# Allegro board Coral-Dev-Board-Mini-layout-Allegro.brd (continued)
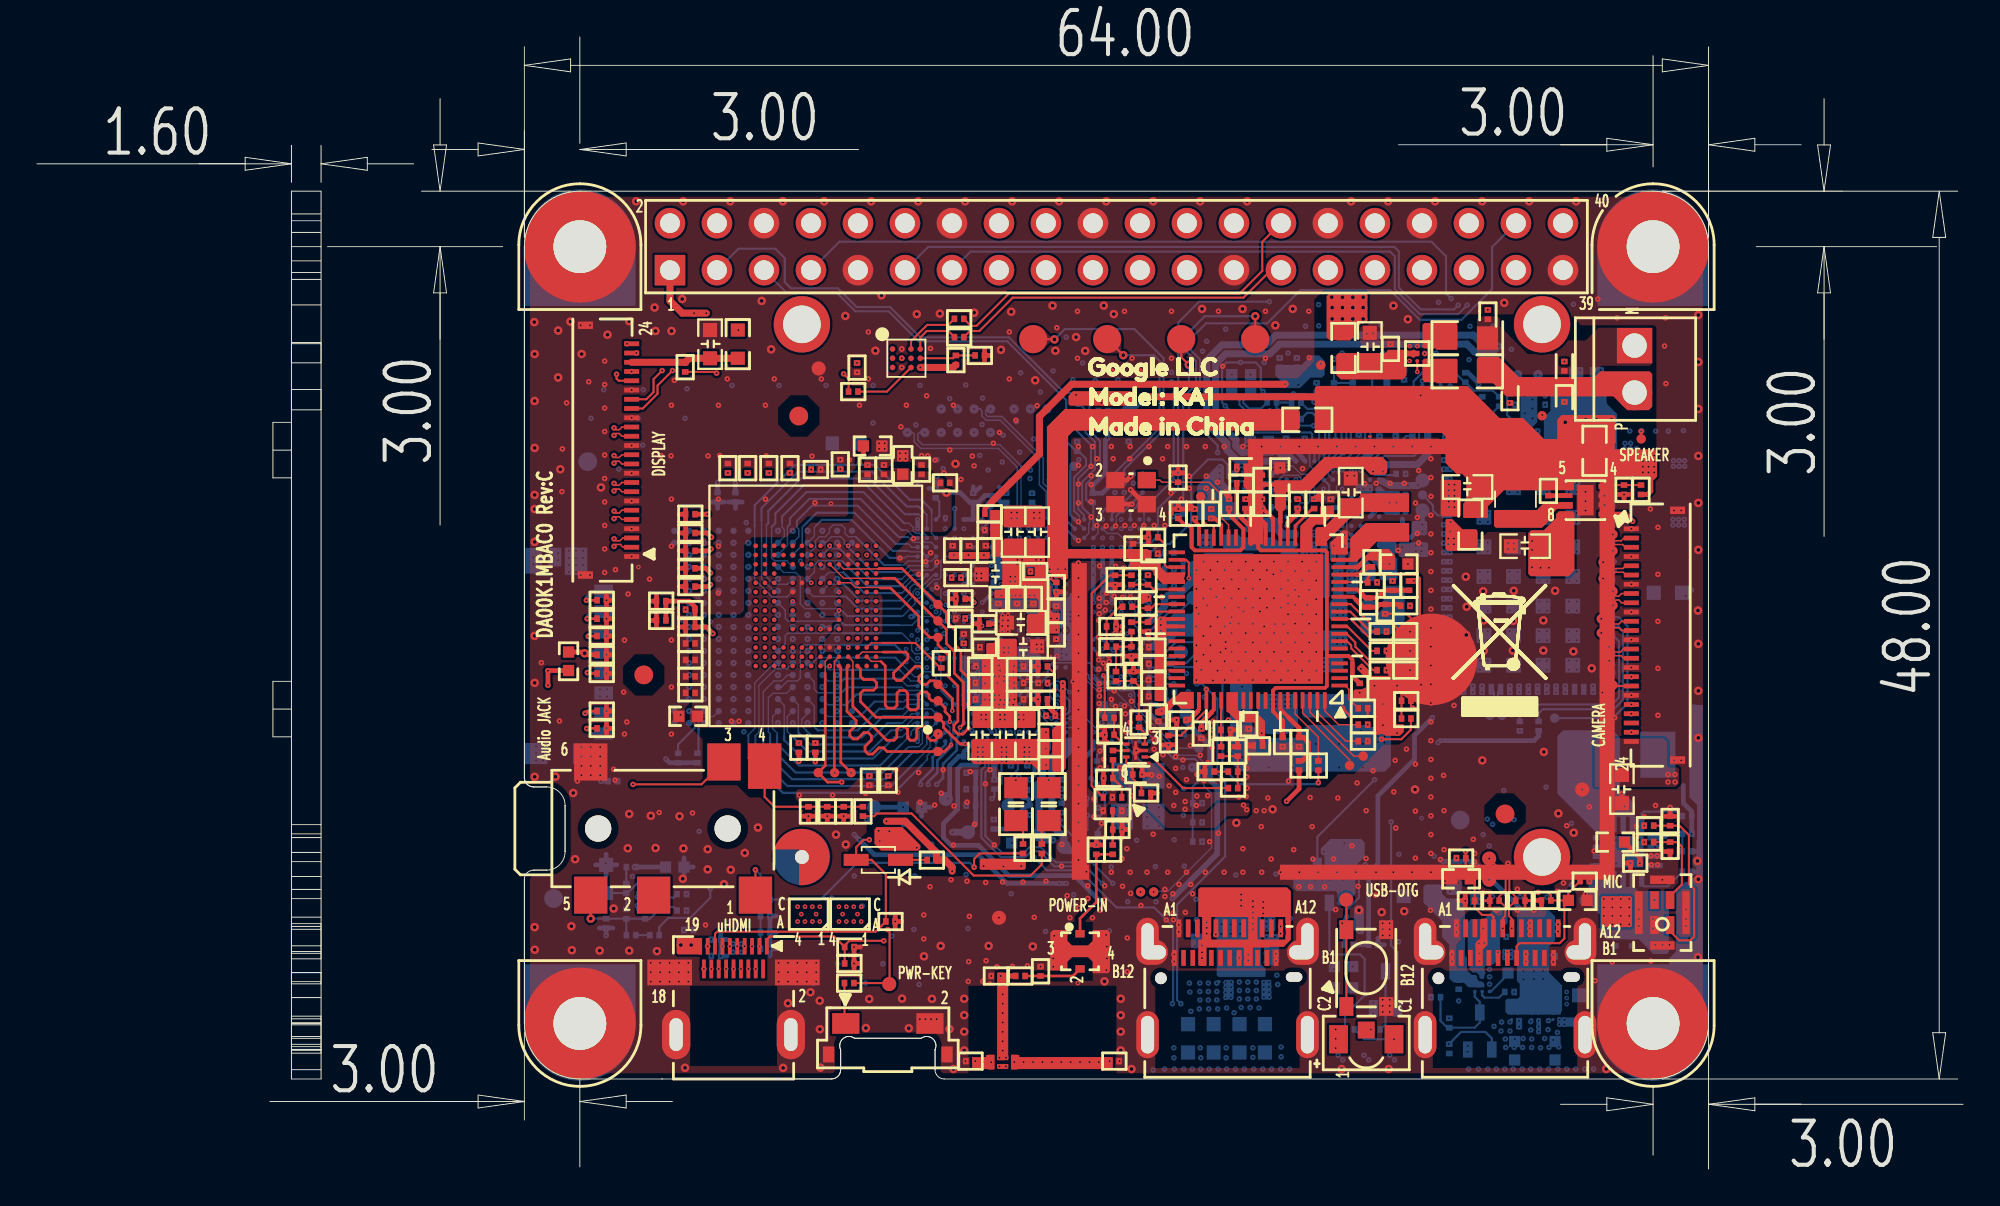
[diagram p0: board, top side]
## Routing (per net, layer and track width the routed paths; a pad name or vN(x,y) marks a point on that pad's centre or on a via; arc(x,y) is an arc through that point) (continued)
GND_VCORE_FB: length 18.3
  L03_IN1 w0.102: v4(67.05,31.24) 64.8,31.24 61.83,28.26 56.9,28.26 55.93,27.3 54.79,27.3 54.59,27.5 NC2.1
  L05_POW w0.102: v4(67.05,31.24) 67.36,31.54 67.36,33.93 v5(67.79,34.36)
  L06_GND2 w0.102: v5(67.79,34.36) 67.79,34.52 v10(68.04,34.77)
GND_VPROC_FB: length 21.3
  L03_IN1 w0.102: v4(67.03,30.14) 66.67,30.5 64.95,30.5 62.11,27.65 57.15,27.65 56.21,26.71 54.17,26.71 53.94,26.48 NC4.1
  L05_POW w0.102: v4(67.03,30.14) 67.76,30.88 67.76,33.35 v5(69.19,34.77)
  L06_GND2 w0.102: v5(69.19,34.77) 69.19,35.12 v10(69.04,35.27)
VBUS: length 13.5
  BOTTOM w0.254: 37.29,11.52 v9(36.95,11.52) 36.95,11.89 ; 36.95,12.04 v9(36.95,12.41) ; v9(36.95,12.41) 37.29,12.41 ; v9(36.95,12.41) 36.95,12.77
  BOTTOM w0.305: v9(61.36,14.63) 63.78,17.04 63.78,20.66 63.39,21.05 63.39,22.89 62.07,24.21 R36.1
  vias: v1(80.8,33.95) v1(80.8,33.47) v1(80.8,32.99) v1(80.8,32.53) v1(81.26,32.99) v1(81.26,32.51) v1(81.74,32.99) v1(81.71,32.51) v1(84.68,14.6) v1(84.68,14.14) v1(84.68,13.69) v1(84.68,13.23) v1(85.14,14.6) v1(85.14,14.14) v1(85.14,13.69) v1(85.14,13.23) v1(85.59,14.6) v1(85.59,14.14) v1(85.59,13.69) v1(85.59,13.23) v1(86.05,14.6) v1(86.05,14.14) v1(86.05,13.69) v1(86.05,13.23) v2(80.8,33.95) v2(80.8,33.47) v2(80.8,32.99) v2(80.8,32.53) v2(81.26,32.99) v2(81.26,32.51) v2(81.74,32.99) v2(81.71,32.51) v2(84.68,14.6) v2(84.68,14.14) v2(84.68,13.69) v2(84.68,13.23) v2(85.14,14.6) v2(85.14,14.14) v2(85.14,13.69) v2(85.14,13.23) v2(85.59,14.6) v2(85.59,14.14) v2(85.59,13.69) v2(85.59,13.23) v2(86.05,14.6) v2(86.05,14.14) v2(86.05,13.69) v2(86.05,13.23) v3(80.8,33.95) v3(80.8,33.47) v3(80.8,32.99) v3(80.8,32.53) v3(81.26,32.99) v3(81.26,32.51) v3(81.74,32.99) v3(81.71,32.51) v3(84.68,14.6) v3(84.68,14.14) v3(84.68,13.69) v3(84.68,13.23) v3(85.14,14.6) v3(85.14,14.14) v3(85.14,13.69) v3(85.14,13.23) v3(85.59,14.6) v3(85.59,14.14) v3(85.59,13.69) v3(85.59,13.23) v3(86.05,14.6) v3(86.05,14.14) v3(86.05,13.69) v3(86.05,13.23) v4(80.8,33.95) v4(80.8,33.47) v4(80.8,32.99) v4(80.8,32.53) v4(81.26,32.99) v4(81.26,32.51) v4(81.74,32.99) v4(81.71,32.51) v4(84.68,14.6) v4(84.68,14.14) v4(84.68,13.69) v4(84.68,13.23) v4(85.14,14.6) v4(85.14,14.14) v4(85.14,13.69) v4(85.14,13.23) v4(85.59,14.6) v4(85.59,14.14) v4(85.59,13.69) v4(85.59,13.23) v4(86.05,14.6) v4(86.05,14.14) v4(86.05,13.69) v4(86.05,13.23) v5(37.61,12.18) v5(37.61,11.72) v5(38.07,12.18) v5(38.07,11.72) v5(62.28,10.05) v5(62.31,9.57) v5(62.36,8.53) v5(62.85,10.05) v5(62.85,9.6) v5(62.85,9.14) v5(62.82,8.66) v5(63.3,10.05) v5(63.3,9.6) v5(63.3,9.14) v5(63.32,8.66) v5(63.76,10.05) v5(63.76,9.6) v5(63.76,9.14) v5(63.81,8.66) v5(64.29,8.71) v5(64.7,8.45) v5(64.98,10.11) v5(64.98,9.65) v5(64.98,9.19) v5(65.08,8.73) v5(65.44,10.11) v5(65.44,9.65) v5(65.44,9.19) v5(65.56,8.73) v5(65.9,10.11) v5(65.9,9.65) v5(65.9,9.19) v5(66.04,8.71) v5(66.44,12.56) v5(66.44,12.1) v5(66.44,11.64) v5(66.44,11.19) v5(66.89,12.56) v5(66.89,12.1) v5(66.89,11.64) v5(66.89,11.19) v5(76.36,15.46) v5(76.36,15.01) v5(76.82,15.46) v5(76.82,15.01) v5(78.74,7.72) v5(79.15,7.94) v5(79.12,7.46) v5(79.35,7.03) v5(79.38,6.57) v5(79.61,7.94) v5(79.61,7.46) v5(79.86,7.03) v5(79.83,6.57) v5(80.32,7.06) v5(80.29,6.57) v5(80.73,7.97) v5(80.73,7.51) v5(80.77,7.03) v5(80.77,6.57) v5(80.8,33.95) v5(80.8,33.47) v5(80.8,32.99) v5(80.8,32.53) v5(81.26,32.99) v5(81.26,32.51) v5(81.26,6.55) v5(81.48,7.06) v5(81.69,8.02) v5(81.66,7.54) v5(81.74,32.99) v5(81.71,32.51) v5(81.71,6.57) v5(81.94,6.98) v5(82.17,7.39) v5(82.25,6.6) v5(84.68,14.6) v5(84.68,14.14) v5(84.68,13.69) v5(84.68,13.23) v5(85.14,14.6) v5(85.14,14.14) v5(85.14,13.69) v5(85.14,13.23) v5(85.59,14.6) v5(85.59,14.14) v5(85.59,13.69) v5(85.59,13.23) v5(86.05,14.6) v5(86.05,14.14) v5(86.05,13.69) v5(86.05,13.23) v6(37.61,12.18) v6(37.61,11.72) v6(38.07,12.18) v6(38.07,11.72) v6(62.28,10.05) v6(62.31,9.57) v6(62.36,8.53) v6(62.85,10.05) v6(62.85,9.6) v6(62.85,9.14) v6(62.82,8.66) v6(63.3,10.05) v6(63.3,9.6) v6(63.3,9.14) v6(63.32,8.66) v6(63.76,10.05) v6(63.76,9.6) v6(63.76,9.14) v6(63.81,8.66) v6(64.29,8.71) v6(64.7,8.45) v6(64.98,10.11) v6(64.98,9.65) v6(64.98,9.19) v6(65.08,8.73) v6(65.44,10.11) v6(65.44,9.65) v6(65.44,9.19) v6(65.56,8.73) v6(65.9,10.11) v6(65.9,9.65) v6(65.9,9.19) v6(66.04,8.71) v6(66.44,12.56) v6(66.44,12.1) v6(66.44,11.64) v6(66.44,11.19) v6(66.89,12.56) v6(66.89,12.1) v6(66.89,11.64) v6(66.89,11.19) v6(76.36,15.46) v6(76.36,15.01) v6(76.82,15.46) v6(76.82,15.01) v6(78.74,7.72) v6(79.15,7.94) v6(79.12,7.46) v6(79.35,7.03) v6(79.38,6.57) v6(79.61,7.94) v6(79.61,7.46) v6(79.86,7.03) v6(79.83,6.57) v6(80.32,7.06) v6(80.29,6.57) v6(80.73,7.97) v6(80.73,7.51) v6(80.77,7.03) v6(80.77,6.57) v6(80.8,33.95) v6(80.8,33.47) v6(80.8,32.99) v6(80.8,32.53) v6(81.26,32.99) v6(81.26,32.51) v6(81.26,6.55) v6(81.48,7.06) v6(81.69,8.02) v6(81.66,7.54) v6(81.74,32.99) v6(81.71,32.51) v6(81.71,6.57) v6(81.94,6.98) v6(82.17,7.39) v6(82.25,6.6) v6(84.68,14.6) v6(84.68,14.14) v6(84.68,13.69) v6(84.68,13.23) v6(85.14,14.6) v6(85.14,14.14) v6(85.14,13.69) v6(85.14,13.23) v6(85.59,14.6) v6(85.59,14.14) v6(85.59,13.69) v6(85.59,13.23) v6(86.05,14.6) v6(86.05,14.14) v6(86.05,13.69) v6(86.05,13.23) v7(37.61,12.18) v7(37.61,11.72) v7(38.07,12.18) v7(38.07,11.72) v7(62.28,10.05) v7(62.31,9.57) v7(62.36,8.53) v7(62.85,10.05) v7(62.85,9.6) v7(62.85,9.14) v7(62.82,8.66) v7(63.3,10.05) v7(63.3,9.6) v7(63.3,9.14) v7(63.32,8.66) v7(63.76,10.05) v7(63.76,9.6) v7(63.76,9.14) v7(63.81,8.66) v7(64.29,8.71) v7(64.7,8.45) v7(64.98,10.11) v7(64.98,9.65) v7(64.98,9.19) v7(65.08,8.73) v7(65.44,10.11) v7(65.44,9.65) v7(65.44,9.19) v7(65.56,8.73) v7(65.9,10.11) v7(65.9,9.65) v7(65.9,9.19) v7(66.04,8.71) v7(66.44,12.56) v7(66.44,12.1) v7(66.44,11.64) v7(66.44,11.19) v7(66.89,12.56) v7(66.89,12.1) v7(66.89,11.64) v7(66.89,11.19) v7(76.36,15.46) v7(76.36,15.01) v7(76.82,15.46) v7(76.82,15.01) v7(78.74,7.72) v7(79.15,7.94) v7(79.12,7.46) v7(79.35,7.03) v7(79.38,6.57) v7(79.61,7.94) v7(79.61,7.46) v7(79.86,7.03) v7(79.83,6.57) v7(80.32,7.06) v7(80.29,6.57) v7(80.73,7.97) v7(80.73,7.51) v7(80.77,7.03) v7(80.77,6.57) v7(80.8,33.95) v7(80.8,33.47) v7(80.8,32.99) v7(80.8,32.53) v7(81.26,32.99) v7(81.26,32.51) v7(81.26,6.55) v7(81.48,7.06) v7(81.69,8.02) v7(81.66,7.54) v7(81.74,32.99) v7(81.71,32.51) v7(81.71,6.57) v7(81.94,6.98) v7(82.17,7.39) v7(82.25,6.6) v7(84.68,14.6) v7(84.68,14.14) v7(84.68,13.69) v7(84.68,13.23) v7(85.14,14.6) v7(85.14,14.14) v7(85.14,13.69) v7(85.14,13.23) v7(85.59,14.6) v7(85.59,14.14) v7(85.59,13.69) v7(85.59,13.23) v7(86.05,14.6) v7(86.05,14.14) v7(86.05,13.69) v7(86.05,13.23) v8(37.61,12.18) v8(37.61,11.72) v8(38.07,12.18) v8(38.07,11.72) v8(62.28,10.05) v8(62.31,9.57) v8(62.36,8.53) v8(62.85,10.05) v8(62.85,9.6) v8(62.85,9.14) v8(62.82,8.66) v8(63.3,10.05) v8(63.3,9.6) v8(63.3,9.14) v8(63.32,8.66) v8(63.76,10.05) v8(63.76,9.6) v8(63.76,9.14) v8(63.81,8.66) v8(64.29,8.71) v8(64.7,8.45) v8(64.98,10.11) v8(64.98,9.65) v8(64.98,9.19) v8(65.08,8.73) v8(65.44,10.11) v8(65.44,9.65) v8(65.44,9.19) v8(65.56,8.73) v8(65.9,10.11) v8(65.9,9.65) v8(65.9,9.19) v8(66.04,8.71) v8(66.44,12.56) v8(66.44,12.1) v8(66.44,11.64) v8(66.44,11.19) v8(66.89,12.56) v8(66.89,12.1) v8(66.89,11.64) v8(66.89,11.19) v8(76.36,15.46) v8(76.36,15.01) v8(76.82,15.46) v8(76.82,15.01) v8(78.74,7.72) v8(79.15,7.94) v8(79.12,7.46) v8(79.35,7.03) v8(79.38,6.57) v8(79.61,7.94) v8(79.61,7.46) v8(79.86,7.03) v8(79.83,6.57) v8(80.32,7.06) v8(80.29,6.57) v8(80.73,7.97) v8(80.73,7.51) v8(80.77,7.03) v8(80.77,6.57) v8(81.26,6.55) v8(81.48,7.06) v8(81.69,8.02) v8(81.66,7.54) v8(81.71,6.57) v8(81.94,6.98) v8(82.17,7.39) v8(82.25,6.6) v8(84.68,14.6) v8(84.68,14.14) v8(84.68,13.69) v8(84.68,13.23) v8(85.14,14.6) v8(85.14,14.14) v8(85.14,13.69) v8(85.14,13.23) v8(85.59,14.6) v8(85.59,14.14) v8(85.59,13.69) v8(85.59,13.23) v8(86.05,14.6) v8(86.05,14.14) v8(86.05,13.69) v8(86.05,13.23) v9(37.61,12.18) v9(37.61,11.72) v9(38.07,12.18) v9(38.07,11.72) v9(62.28,10.05) v9(62.31,9.57) v9(62.36,8.53) v9(62.85,10.05) v9(62.85,9.6) v9(62.85,9.14) v9(62.82,8.66) v9(63.3,10.05) v9(63.3,9.6) v9(63.3,9.14) v9(63.32,8.66) v9(63.76,10.05) v9(63.76,9.6) v9(63.76,9.14) v9(63.81,8.66) v9(64.29,8.71) v9(64.7,8.45) v9(64.98,10.11) v9(64.98,9.65) v9(64.98,9.19) v9(65.08,8.73) v9(65.44,10.11) v9(65.44,9.65) v9(65.44,9.19) v9(65.56,8.73) v9(65.9,10.11) v9(65.9,9.65) v9(65.9,9.19) v9(66.04,8.71) v9(66.44,12.56) v9(66.44,12.1) v9(66.44,11.64) v9(66.44,11.19) v9(66.89,12.56) v9(66.89,12.1) v9(66.89,11.64) v9(66.89,11.19) v9(76.36,15.46) v9(76.36,15.01) v9(76.82,15.46) v9(76.82,15.01) v9(78.74,7.72) v9(79.15,7.94) v9(79.12,7.46) v9(79.35,7.03) v9(79.38,6.57) v9(79.61,7.94) v9(79.61,7.46) v9(79.86,7.03) v9(79.83,6.57) v9(80.32,7.06) v9(80.29,6.57) v9(80.73,7.97) v9(80.73,7.51) v9(80.77,7.03) v9(80.77,6.57) v9(81.26,6.55) v9(81.48,7.06) v9(81.69,8.02) v9(81.66,7.54) v9(81.71,6.57) v9(81.94,6.98) v9(82.17,7.39) v9(82.25,6.6) v9(84.68,14.6) v9(84.68,14.14) v9(84.68,13.69) v9(84.68,13.23) v9(85.14,14.6) v9(85.14,14.14) v9(85.14,13.69) v9(85.14,13.23) v9(85.59,14.6) v9(85.59,14.14) v9(85.59,13.69) v9(85.59,13.23) v9(86.05,14.6) v9(86.05,14.14) v9(86.05,13.69) v9(86.05,13.23) v17(34.79,12.11) v17(35.35,12.11) v17(69.97,47.14) v17(69.99,46.57) v17(69.99,45.96) v17(70.55,47.13) v17(70.55,46.57) v17(70.55,45.96) v17(71.11,47.13) v17(71.11,46.57) v17(71.11,45.96) v17(71.67,47.13) v17(71.67,46.57) v17(71.67,45.96)
VBUS_TYPC: length 38.5
  L07_IN3 w0.254: v7(75.44,23.39) 73.69,21.63 73.69,17.5 74.55,16.63 v9(75.97,16.63)
  L08_IN4 w0.254: v9(71.11,43.77) 71.11,41.83 72.22,40.71 73.64,40.71 74.78,39.57 74.78,38.55 75.95,37.38 75.95,23.92 75.44,23.41 v7(75.44,23.39)
  BOTTOM w0.254: v9(75.97,16.63) 77.62,16.63 L28.2
  vias: v1(77.92,12.2) v1(77.96,11.65) v1(77.96,11.24) v1(78.15,13.01) v1(78.23,12.2) v1(80.46,11.62) v1(80.46,11.22) v1(80.69,13.3) v1(80.69,13) v1(80.69,12.69) v2(77.92,12.2) v2(77.96,11.65) v2(77.96,11.24) v2(78.15,13.01) v2(78.23,12.2) v2(80.46,11.62) v2(80.46,11.22) v2(80.69,13.3) v2(80.69,13) v2(80.69,12.69) v3(77.92,12.2) v3(77.96,11.65) v3(77.96,11.24) v3(78.15,13.01) v3(78.23,12.2) v3(80.46,11.62) v3(80.46,11.22) v3(80.69,13.3) v3(80.69,13) v3(80.69,12.69) v4(80.34,10.71) v4(80.34,10.26) v4(80.89,12.21) v4(80.9,11.64) v4(80.9,11.18) v4(80.9,10.73) v4(80.9,10.27) v4(81.4,12.21) v4(81.4,11.64) v4(81.4,11.18) v4(81.4,10.73) v4(81.4,10.27) v5(80.34,10.71) v5(80.34,10.26) v5(80.89,12.21) v5(80.9,11.64) v5(80.9,11.18) v5(80.9,10.73) v5(80.9,10.27) v5(81.4,12.21) v5(81.4,11.64) v5(81.4,11.18) v5(81.4,10.73) v5(81.4,10.27) v6(80.34,10.71) v6(80.34,10.26) v6(80.89,12.21) v6(80.9,11.64) v6(80.9,11.18) v6(80.9,10.73) v6(80.9,10.27) v6(81.4,12.21) v6(81.4,11.64) v6(81.4,11.18) v6(81.4,10.73) v6(81.4,10.27) v7(80.34,10.71) v7(80.34,10.26) v7(80.89,12.21) v7(80.9,11.64) v7(80.9,11.18) v7(80.9,10.73) v7(80.9,10.27) v7(81.4,12.21) v7(81.4,11.64) v7(81.4,11.18) v7(81.4,10.73) v7(81.4,10.27) v8(80.34,10.71) v8(80.34,10.26) v8(80.89,12.21) v8(80.9,11.64) v8(80.9,11.18) v8(80.9,10.73) v8(80.9,10.27) v8(81.4,12.21) v8(81.4,11.64) v8(81.4,11.18) v8(81.4,10.73) v8(81.4,10.27) v9(80.34,10.71) v9(80.34,10.26) v9(80.89,12.21) v9(80.9,11.64) v9(80.9,11.18) v9(80.9,10.73) v9(80.9,10.27) v9(81.4,12.21) v9(81.4,11.64) v9(81.4,11.18) v9(81.4,10.73) v9(81.4,10.27)
VCCIO_PMU: length 8.7
  TOP w0.254: v4(36.45,34.16) 36.22,34.39 C236.1 ; C231.1 44.66,38.64 44.45,38.43 v4(44.45,38.16) ; v4(36.4,31.59) 36.3,31.49 C230.1 ; C226.1 v4(36.22,35.4) ; C229.1 36.15,32.48 v4(36.4,32.23) ; v4(36.43,33.52) 36.32,33.42 C225.1 ; v14(50.65,30.62) 50.45,30.83 C227.1
  BOTTOM w0.254: U6.B9 v10(48.33,30.87) U6.C10 ; v9(47.24,29.87) 47.34,29.87 U6.A11 ; TP79.1 v9(46.81,19.56)
  vias: v1(35.05,30.25) v1(37.34,37.64) v1(38.41,37.64) v1(39.57,37.64) v1(40.69,37.64) v1(41.18,23.03) v1(41.84,37.82) v1(42.06,23.03) v1(43.41,37.84) v1(44.99,21.25) v1(46,21.25) v2(35.05,30.25) v2(37.34,37.64) v2(38.41,37.64) v2(39.57,37.64) v2(40.69,37.64) v2(41.18,23.03) v2(41.84,37.82) v2(42.06,23.03) v2(43.41,37.84) v2(44.99,21.25) v2(46,21.25) v3(35.05,30.25) v3(37.34,37.64) v3(38.41,37.64) v3(39.57,37.64) v3(40.69,37.64) v3(41.18,23.03) v3(41.84,37.82) v3(42.06,23.03) v3(43.41,37.84) v3(44.99,21.25) v3(46,21.25) v4(35.05,30.25) v4(37.34,37.64) v4(38.41,37.64) v4(39.57,37.64) v4(40.69,37.64) v4(41.18,23.03) v4(41.84,37.82) v4(42.06,23.03) v4(43.41,37.84) v4(44.99,21.25) v4(46,21.25) v5(35.24,31.26) v5(35.24,30.61) v5(35.24,28.01) v5(35.24,27.36) v5(36.04,28.66) v5(36.84,32.56) v5(36.84,26.06) v5(37.64,32.56) v5(37.64,30.61) v5(37.64,29.96) v5(37.64,29.31) v5(37.64,28.66) v5(37.64,28.01) v5(37.64,26.06) v5(38.44,32.56) v5(38.44,29.96) v5(38.44,29.31) v5(38.45,28.66) v5(38.44,26.06) v5(40.04,34.51) v5(40.04,31.91) v5(40.04,29.96) v5(40.04,28.66) v5(40.04,26.71) v5(40.04,24.11) v5(40.84,34.51) v5(40.84,29.31) v5(40.84,28.66) v5(40.84,24.11) v5(41.64,29.31) v5(42.44,34.51) v5(42.44,29.96) v5(42.39,28.65) v5(42.44,24.11) v5(43.24,33.21) v5(43.24,31.91) v5(43.24,29.96) v5(43.24,28.66) v5(43.24,26.71) v5(43.24,25.41) v5(43.31,30.6) v5(43.31,28.01) v5(48.06,29.08) v5(48.09,28.62) v5(49.02,28.95) v5(49.99,28.7) v5(71.66,30.08) v5(72.12,30.08) v6(35.24,31.26) v6(35.24,30.61) v6(35.24,28.01) v6(35.24,27.36) v6(36.04,28.66) v6(36.84,32.56) v6(36.84,26.06) v6(37.64,32.56) v6(37.64,30.61) v6(37.64,29.96) v6(37.64,29.31) v6(37.64,28.66) v6(37.64,28.01) v6(37.64,26.06) v6(38.44,32.56) v6(38.44,29.96) v6(38.44,29.31) v6(38.45,28.66) v6(38.44,26.06) v6(40.04,34.51) v6(40.04,31.91) v6(40.04,29.96) v6(40.04,28.66) v6(40.04,26.71) v6(40.04,24.11) v6(40.84,34.51) v6(40.84,29.31) v6(40.84,28.66) v6(40.84,24.11) v6(41.64,29.31) v6(42.44,34.51) v6(42.44,29.96) v6(42.39,28.65) v6(42.44,24.11) v6(43.24,33.21) v6(43.24,31.91) v6(43.24,29.96) v6(43.24,28.66) v6(43.24,26.71) v6(43.24,25.41) v6(43.31,30.6) v6(43.31,28.01) v6(48.06,29.08) v6(48.09,28.62) v6(49.02,28.95) v6(49.99,28.7) v6(71.64,30.76) v6(71.64,30.46) v6(71.94,30.76) v6(71.94,30.46) v6(72.25,30.76) v6(72.25,30.46) v7(35.24,31.26) v7(35.24,30.61) v7(35.24,28.01) v7(35.24,27.36) v7(36.04,28.66) v7(36.84,32.56) v7(36.84,26.06) v7(37.64,32.56) v7(37.64,30.61) v7(37.64,29.96) v7(37.64,29.31) v7(37.64,28.66) v7(37.64,28.01) v7(37.64,26.06) v7(38.44,32.56) v7(38.44,29.96) v7(38.44,29.31) v7(38.45,28.66) v7(38.44,26.06) v7(40.04,34.51) v7(40.04,31.91) v7(40.04,29.96) v7(40.04,28.66) v7(40.04,26.71) v7(40.04,24.11) v7(40.84,34.51) v7(40.84,29.31) v7(40.84,28.66) v7(40.84,24.11) v7(41.64,29.31) v7(42.44,34.51) v7(42.44,29.96) v7(42.39,28.65) v7(42.44,24.11) v7(43.24,33.21) v7(43.24,31.91) v7(43.24,29.96) v7(43.24,28.66) v7(43.24,26.71) v7(43.24,25.41) v7(43.31,30.6) v7(43.31,28.01) v7(48.06,29.08) v7(48.09,28.62) v7(49.02,28.95) v7(49.99,28.7) v7(71.64,30.76) v7(71.64,30.46) v7(71.94,30.76) v7(71.94,30.46) v7(72.25,30.76) v7(72.25,30.46) v8(35.24,31.26) v8(35.24,30.61) v8(35.24,28.01) v8(35.24,27.36) v8(36.04,28.66) v8(36.84,32.56) v8(36.84,26.06) v8(37.64,32.56) v8(37.64,30.61) v8(37.64,29.96) v8(37.64,29.31) v8(37.64,28.66) v8(37.64,28.01) v8(37.64,26.06) v8(38.44,32.56) v8(38.44,29.96) v8(38.44,29.31) v8(38.45,28.66) v8(38.44,26.06) v8(40.04,34.51) v8(40.04,31.91) v8(40.04,29.96) v8(40.04,28.66) v8(40.04,26.71) v8(40.04,24.11) v8(40.84,34.51) v8(40.84,29.31) v8(40.84,28.66) v8(40.84,24.11) v8(41.64,29.31) v8(42.44,34.51) v8(42.44,29.96) v8(42.39,28.65) v8(42.44,24.11) v8(43.24,33.21) v8(43.24,31.91) v8(43.24,29.96) v8(43.24,28.66) v8(43.24,26.71) v8(43.24,25.41) v8(43.31,30.6) v8(43.31,28.01) v8(48.06,29.08) v8(48.09,28.62) v8(49.02,28.95) v8(49.99,28.7) v8(71.64,30.76) v8(71.64,30.46) v8(71.94,30.76) v8(71.94,30.46) v8(72.25,30.76) v8(72.25,30.46) v9(35.24,31.26) v9(35.24,30.61) v9(35.24,28.01) v9(35.24,27.36) v9(36.04,28.66) v9(36.84,32.56) v9(36.84,26.06) v9(37.64,32.56) v9(37.64,30.61) v9(37.64,29.96) v9(37.64,29.31) v9(37.64,28.66) v9(37.64,28.01) v9(37.64,26.06) v9(38.44,32.56) v9(38.44,29.96) v9(38.44,29.31) v9(38.45,28.66) v9(38.44,26.06) v9(40.04,34.51) v9(40.04,31.91) v9(40.04,29.96) v9(40.04,28.66) v9(40.04,26.71) v9(40.04,24.11) v9(40.84,34.51) v9(40.84,29.31) v9(40.84,28.66) v9(40.84,24.11) v9(41.64,29.31) v9(42.44,34.51) v9(42.44,29.96) v9(42.39,28.65) v9(42.44,24.11) v9(43.24,33.21) v9(43.24,31.91) v9(43.24,29.96) v9(43.24,28.66) v9(43.24,26.71) v9(43.24,25.41) v9(43.31,30.6) v9(43.31,28.01) v9(48.06,29.08) v9(48.09,28.62) v9(49.02,28.95) v9(49.99,28.7) v9(71.64,30.76) v9(71.64,30.46) v9(71.94,30.76) v9(71.94,30.46) v9(72.25,30.76) v9(72.25,30.46) v10(50.4,29.87) v10(50.57,28.78) v10(50.59,30.62) v10(50.59,29.62) v10(50.59,28.12) v10(50.67,27.82) v10(50.59,27.12) v12(50.4,29.87) v12(50.57,28.78) v12(50.59,30.62) v12(50.59,29.62) v12(50.59,28.12) v12(50.67,27.82) v12(50.59,27.12) v13(50.08,28.42) v13(50.16,29.76) v14(50.08,28.42) v14(50.16,29.76) v15(50.48,27.48) v15(50.64,30.19) v15(50.62,29.23) v15(50.82,28.52) v15(50.94,27.58)
ACCDET: length 29.4
  L07_IN3 w0.084: v9(36.39,15.16) 36.67,14.88 43.45,14.88 49.41,20.84 50.85,20.84 54.17,24.16 v10(54.17,24.61)
  BOTTOM w0.076: v10(54.17,24.61) 54.91,23.87 56.34,23.87 U6.W23
  BOTTOM w0.114: R113.2 33.63,13.09 34.12,13.58 35.3,13.58 36.39,14.66 v9(36.39,15.16)
ACCDET_R: length 0.8
  BOTTOM w0.114: R79.1 R113.1
ADA_IN:
  vias: v1(62.96,12.09) v1(62.96,11.71) v1(62.96,11.41) v1(63.22,13.34) v1(63.22,13.04) v1(63.22,12.73) v1(65.07,14.84) v1(65.07,14.53) v1(65.07,14.23) v1(65.46,11.58) v1(65.46,11.28) v1(65.71,14.48) v1(65.71,14.18) v1(65.71,13.87) v1(65.71,13.57) v1(65.71,13.26) v1(65.71,12.96) v1(66.27,14.43) v1(66.26,14.12) v1(66.26,13.81) v2(62.96,12.09) v2(62.96,11.71) v2(62.96,11.41) v2(63.22,13.34) v2(63.22,13.04) v2(63.22,12.73) v2(65.07,14.84) v2(65.07,14.53) v2(65.07,14.23) v2(65.46,11.58) v2(65.46,11.28) v2(65.71,14.48) v2(65.71,14.18) v2(65.71,13.87) v2(65.71,13.57) v2(65.71,13.26) v2(65.71,12.96) v2(66.27,14.43) v2(66.26,14.12) v2(66.26,13.81) v3(62.96,12.09) v3(62.96,11.71) v3(62.96,11.41) v3(63.22,13.34) v3(63.22,13.04) v3(63.22,12.73) v3(65.07,14.84) v3(65.07,14.53) v3(65.07,14.23) v3(65.46,11.58) v3(65.46,11.28) v3(65.71,14.48) v3(65.71,14.18) v3(65.71,13.87) v3(65.71,13.57) v3(65.71,13.26) v3(65.71,12.96) v3(66.27,14.43) v3(66.26,14.12) v3(66.26,13.81) v4(64,13.74) v4(64,13.23) v4(64,12.72) v4(64,12.21) v4(64.51,13.74) v4(64.51,13.23) v4(64.51,12.72) v4(64.51,12.21) v4(65.02,13.74) v4(65.02,13.23) v4(65.02,12.72) v4(65.02,12.21) v5(64,13.74) v5(64,13.23) v5(64,12.72) v5(64,12.21) v5(64.51,13.74) v5(64.51,13.23) v5(64.51,12.72) v5(64.51,12.21) v5(65.02,13.74) v5(65.02,13.23) v5(65.02,12.72) v5(65.02,12.21) v6(64,13.74) v6(64,13.23) v6(64,12.72) v6(64,12.21) v6(64.51,13.74) v6(64.51,13.23) v6(64.51,12.72) v6(64.51,12.21) v6(65.02,13.74) v6(65.02,13.23) v6(65.02,12.72) v6(65.02,12.21) v7(64,13.74) v7(64,13.23) v7(64,12.72) v7(64,12.21) v7(64.51,13.74) v7(64.51,13.23) v7(64.51,12.72) v7(64.51,12.21) v7(65.02,13.74) v7(65.02,13.23) v7(65.02,12.72) v7(65.02,12.21) v8(64,13.74) v8(64,13.23) v8(64,12.72) v8(64,12.21) v8(64.51,13.74) v8(64.51,13.23) v8(64.51,12.72) v8(64.51,12.21) v8(65.02,13.74) v8(65.02,13.23) v8(65.02,12.72) v8(65.02,12.21) v9(64,13.74) v9(64,13.23) v9(64,12.72) v9(64,12.21) v9(64.51,13.74) v9(64.51,13.23) v9(64.51,12.72) v9(64.51,12.21) v9(65.02,13.74) v9(65.02,13.23) v9(65.02,12.72) v9(65.02,12.21)
AMP_EN: length 34
  TOP w0.114: U17.C2 v2(74.6,43.1)
  L03_IN1 w0.089: v2(74.6,43.1) 74.6,42.62 74.04,42.06 60.78,42.06 60.1,41.38 59.76,41.38 59.26,41.88 v7(57.17,41.88)
  L08_IN4 w0.089: v7(57.17,41.88) 58.37,40.69 58.37,38.86 57.77,38.26 57.77,36.03 58.31,35.48 58.31,34.28 58.86,33.73 58.86,32.82 59.34,32.34 59.34,32.02 59.49,31.87 59.69,31.87 59.84,31.72 59.84,31.52 59.68,31.35 59.68,31.17 59.35,30.85 v10(59.34,30.85)
  BOTTOM w0.076: v10(59.34,30.85) 59.34,30.85 59.34,29.37 U6.AE13
ANTSEL2: length 15.1
  TOP w0.114: v18(62.25,31.94) 62.25,32.79 62.1,32.94 U8.40 ; v18(57.63,26.69) 57.7,26.62 57.7,25.45 R48.2
  L02_GND1 w0.114: v3(63.82,28.51) 63.8,28.51 63.11,29.19 63.11,29.37 62.79,29.69 62.5,29.69 v3(62.35,29.84)
  L04_IN2 w0.084: v18(57.63,26.69) 58.17,26.69 58.8,27.32 62.1,27.32 63.32,28.54 63.78,28.54 v3(63.82,28.51) ; v3(62.35,29.84) 62.35,31.85 v18(62.25,31.94)
APEX_BOOT_FAIL: length 32.8
  L08_IN4 w0.089: v9(73.88,43.17) 73.88,45.47 72.8,46.55 72.8,47.39 73.33,47.92 73.33,49.07 72.77,49.63 68.97,49.63 68.45,49.11 68.45,47.82 67.52,46.89 v9(66.6,46.89)
  BOTTOM w0.076: U6.AE2 59.59,34.62 59.83,34.85 59.83,35.44
  BOTTOM w0.114: 59.83,35.44 59.83,35.68 60.36,36.22 60.36,36.23 61.43,37.29 61.43,41.99 61.68,42.24 61.68,45.77 62.8,46.89 v9(66.6,46.89)
APEX_INT: length 6.4
  L08_IN4 w0.089: v10(58.26,36.01) 57.96,36.32 57.96,37.99 59.01,39.05 v9(59.01,39.34)
  BOTTOM w0.076: U6.Y3 57.34,34.37 57.34,35.28
  BOTTOM w0.114: 57.34,35.28 58.07,36.01 v10(58.26,36.01)
APEX_PMIC_EN: length 30.3
  L07_IN3 w0.084: v6(81.36,40.77) 81.36,40.62 80.48,39.74 v9(80.1,39.74) 75.1,39.74 73.26,41.58 72.59,41.58 61.14,41.58 60.13,40.56 58.99,40.56 58.51,40.08 58.51,37.93 58.93,37.5 58.93,36.54 v10(59.54,35.94)
  BOTTOM w0.114: U6.AD1 59.09,35.48 v10(59.54,35.94)
APEX_RST_N: length 43.4
  L07_IN3 w0.084: v9(85.24,32.84) 86.88,34.47 86.88,39.16 86.4,39.64 85.32,39.64 84.4,38.72 75.47,38.72 73.1,41.09 72.39,41.09 v9(72.39,41.1) 72.37,41.1 72.35,41.11 61.48,41.11 59.43,39.07 v7(59.43,36.69)
  L08_IN4 w0.089: v10(59.09,34.62) 59.11,34.64 59.11,36.37 v7(59.43,36.69)
  BOTTOM w0.114: R109.2 72.16,41.32 72.38,41.1 v9(72.39,41.1)
APEX_V3P3:
  vias: v17(82.59,40.37) v17(83.14,40.51) v17(83.69,40.51) v17(84.28,40.51) v17(85.09,40.51)
AU_VIN_N: length 26.4
  L07_IN3 w0.102: v9(35.1,14.87) 35.48,14.49 36.06,14.49 36.06,14.49 43.61,14.49 48.41,19.29 50.53,19.29 51.02,19.78 53.88,19.78 54.82,20.72 54.82,21.64 55.22,22.04 55.22,22.43 55.75,22.96 55.75,23.78 v10(56.09,24.12)
AU_VIN_N_C: length 5.5
  BOTTOM w0.114: C160.1 31.84,14.92 R111.1 ; C167.2 34.4,14.68 C165.2 33.76,14.98 33.3,15.44 C164.2 32.42,15.44 31.92,14.93 R111.1 ; R111.1 R110.2
AU_VIN_P: length 26.1
  L07_IN3 w0.102: v10(56.09,23.62) 55.95,23.48 55.95,22.87 55.43,22.35 55.43,21.96 55.03,21.56 55.03,20.63 53.97,19.57 51.1,19.57 50.61,19.09 48.5,19.09 43.7,14.29 35.97,14.29 35.97,14.29 35.42,14.29 v9(35.1,13.97)
AU_VIN_P_C: length 7.2
  TOP w0.114: J4.5 v17(29.93,13.54)
  BOTTOM w0.114: R110.1 30.76,13.53 ESD1.2 29.93,13.54 v17(29.93,13.54) ; R110.1 C163.1 33.12,13.53 C165.1 34.4,14.17 C166.2 ; R110.1 R79.2
AUX_IN0: length 11
  L07_IN3 w0.254: v9(53.06,21.2) 53.03,21.2 52.6,21.63 52.6,22.15 54.5,24.05 54.5,24.74 55.1,25.34 55.81,25.34 v10(56.09,25.62)
  BOTTOM w0.254: v9(53.06,21.2) 53.06,20.29 53.27,20.08 53.5,20.08 53.65,19.93 C176.2 53.49,19.65 53.08,19.24 53.08,19.04 R114.1 52.43,18.38 R115.2
AUX_IN1: length 12.7
  BOTTOM w0.076: 60.23,23.38 59.75,23.86 57.19,23.86 56.69,24.36 56.4,24.36 56.21,24.56 56.21,25 U6.V21
  BOTTOM w0.114: R181.2 C524.2 R180.1 62.46,20.67 62.87,21.08 62.87,21.88 62.58,22.17 61.44,22.17 60.23,23.38
AUX_IN2: length 9
  BOTTOM w0.076: U6.V18 56.33,26.86 56.69,26.86 56.85,26.7 56.85,26.51 57.33,26.03 58.36,26.03 58.53,25.86 59.19,25.86 59.33,25.72 59.33,25.24 59.32,25.23 59.32,25.01 59.48,24.85 59.5,24.85 61.59,22.75 TP101.1
AUX_IN3: length 9.3
  L07_IN3 w0.076: v10(56.59,25.5) 56.75,25.5 57.25,26 58.86,26 58.99,25.88 59.69,25.88 59.85,26.04 60.23,26.04
  L07_IN3 w0.084: v9(62.41,21.74) 61.03,23.12 61.03,24.87 60.74,25.16 60.74,25.69 60.4,26.04 60.23,26.04
AUX_IN4: length 17.8
  BOTTOM w0.076: v9(60.35,14.98) 60.38,15.01 61.11,15.01 63.48,17.37 63.48,20.3 63.06,20.71 63.06,21.96 62.66,22.37 61.73,22.37 58.22,25.88 57.27,25.88 56.78,26.36 56.33,26.36 U6.V19
AUX_IN5: length 19.3
  L07_IN3 w0.076: 60.23,25.83 59.86,25.83 59.75,25.72 58.93,25.72 58.83,25.82 57.35,25.82 56.65,25.12 v10(56.59,25.12)
  L07_IN3 w0.084: 60.23,25.83 60.56,25.51 60.56,25.08 60.85,24.79 60.85,22.84 60.35,22.35 58.32,22.35 58.09,22.12 58.09,20.76 61.15,17.7 61.15,16.49 v6(59.64,14.98)
BT_TDD: length 5.2
  TOP w0.114: U15.1 60.25,22.28 61.93,20.59 C187.2
BUCK_1V3_OUT: length 38.6
  TOP w0.114: v4(66.19,23.57) 66.19,23.08 66.21,23.06 66.21,22.86
  TOP w0.203: v4(64.42,35.71) 64.42,35.38 65.2,34.61 U8.31 65.2,33.61 65.03,33.45 62.57,33.45 62.4,33.62 U8.38 62.4,34.65 62.23,34.81 62.04,34.81 C203.2
  TOP w0.381: C193.2 60.73,24.71 v4(60.78,24.76) 60.88,24.76 61.41,25.29 61.97,25.29
  L03_IN1 w0.254: v2(73.48,36.03) v2(73.1,36.03) 72.42,36.7 65.41,36.7 v4(64.42,35.71)
  L05_POW w0.254: v4(60.78,24.76) 61.15,24.39 61.15,24.19 61.88,23.45 62.21,23.45 62.4,23.26 65.91,23.26 66.19,23.54 v4(66.19,23.57) 66.19,29.84 66.01,30.02 66.01,34.12 v4(64.42,35.71)
CAM1_PWDNB: length 48.3
  L03_IN1 w0.089: v15(85.47,26.61) v2(86.16,26.61)
  L08_IN4 w0.089: v15(85.47,26.61) 85.47,25.15 77.61,17.3 76.39,17.3 76.21,17.12 75.76,17.12 75.39,16.75 74.64,16.75 74.05,17.33 61.92,17.33 60.44,15.85 59.99,15.85 59.9,15.76 57.9,15.76 v9(57.58,15.44)
  BOTTOM w0.114: U6.H24 51.38,23.32 51.38,22.84 51.24,22.7 51.24,21.78 51.04,21.57 51.04,17.91 52.08,16.87 53.43,16.87 53.73,17.18 54.16,17.18 54.97,16.37 56.65,16.37 v9(57.58,15.44)